# KiCad board Amber.kicad_pcb (continued)
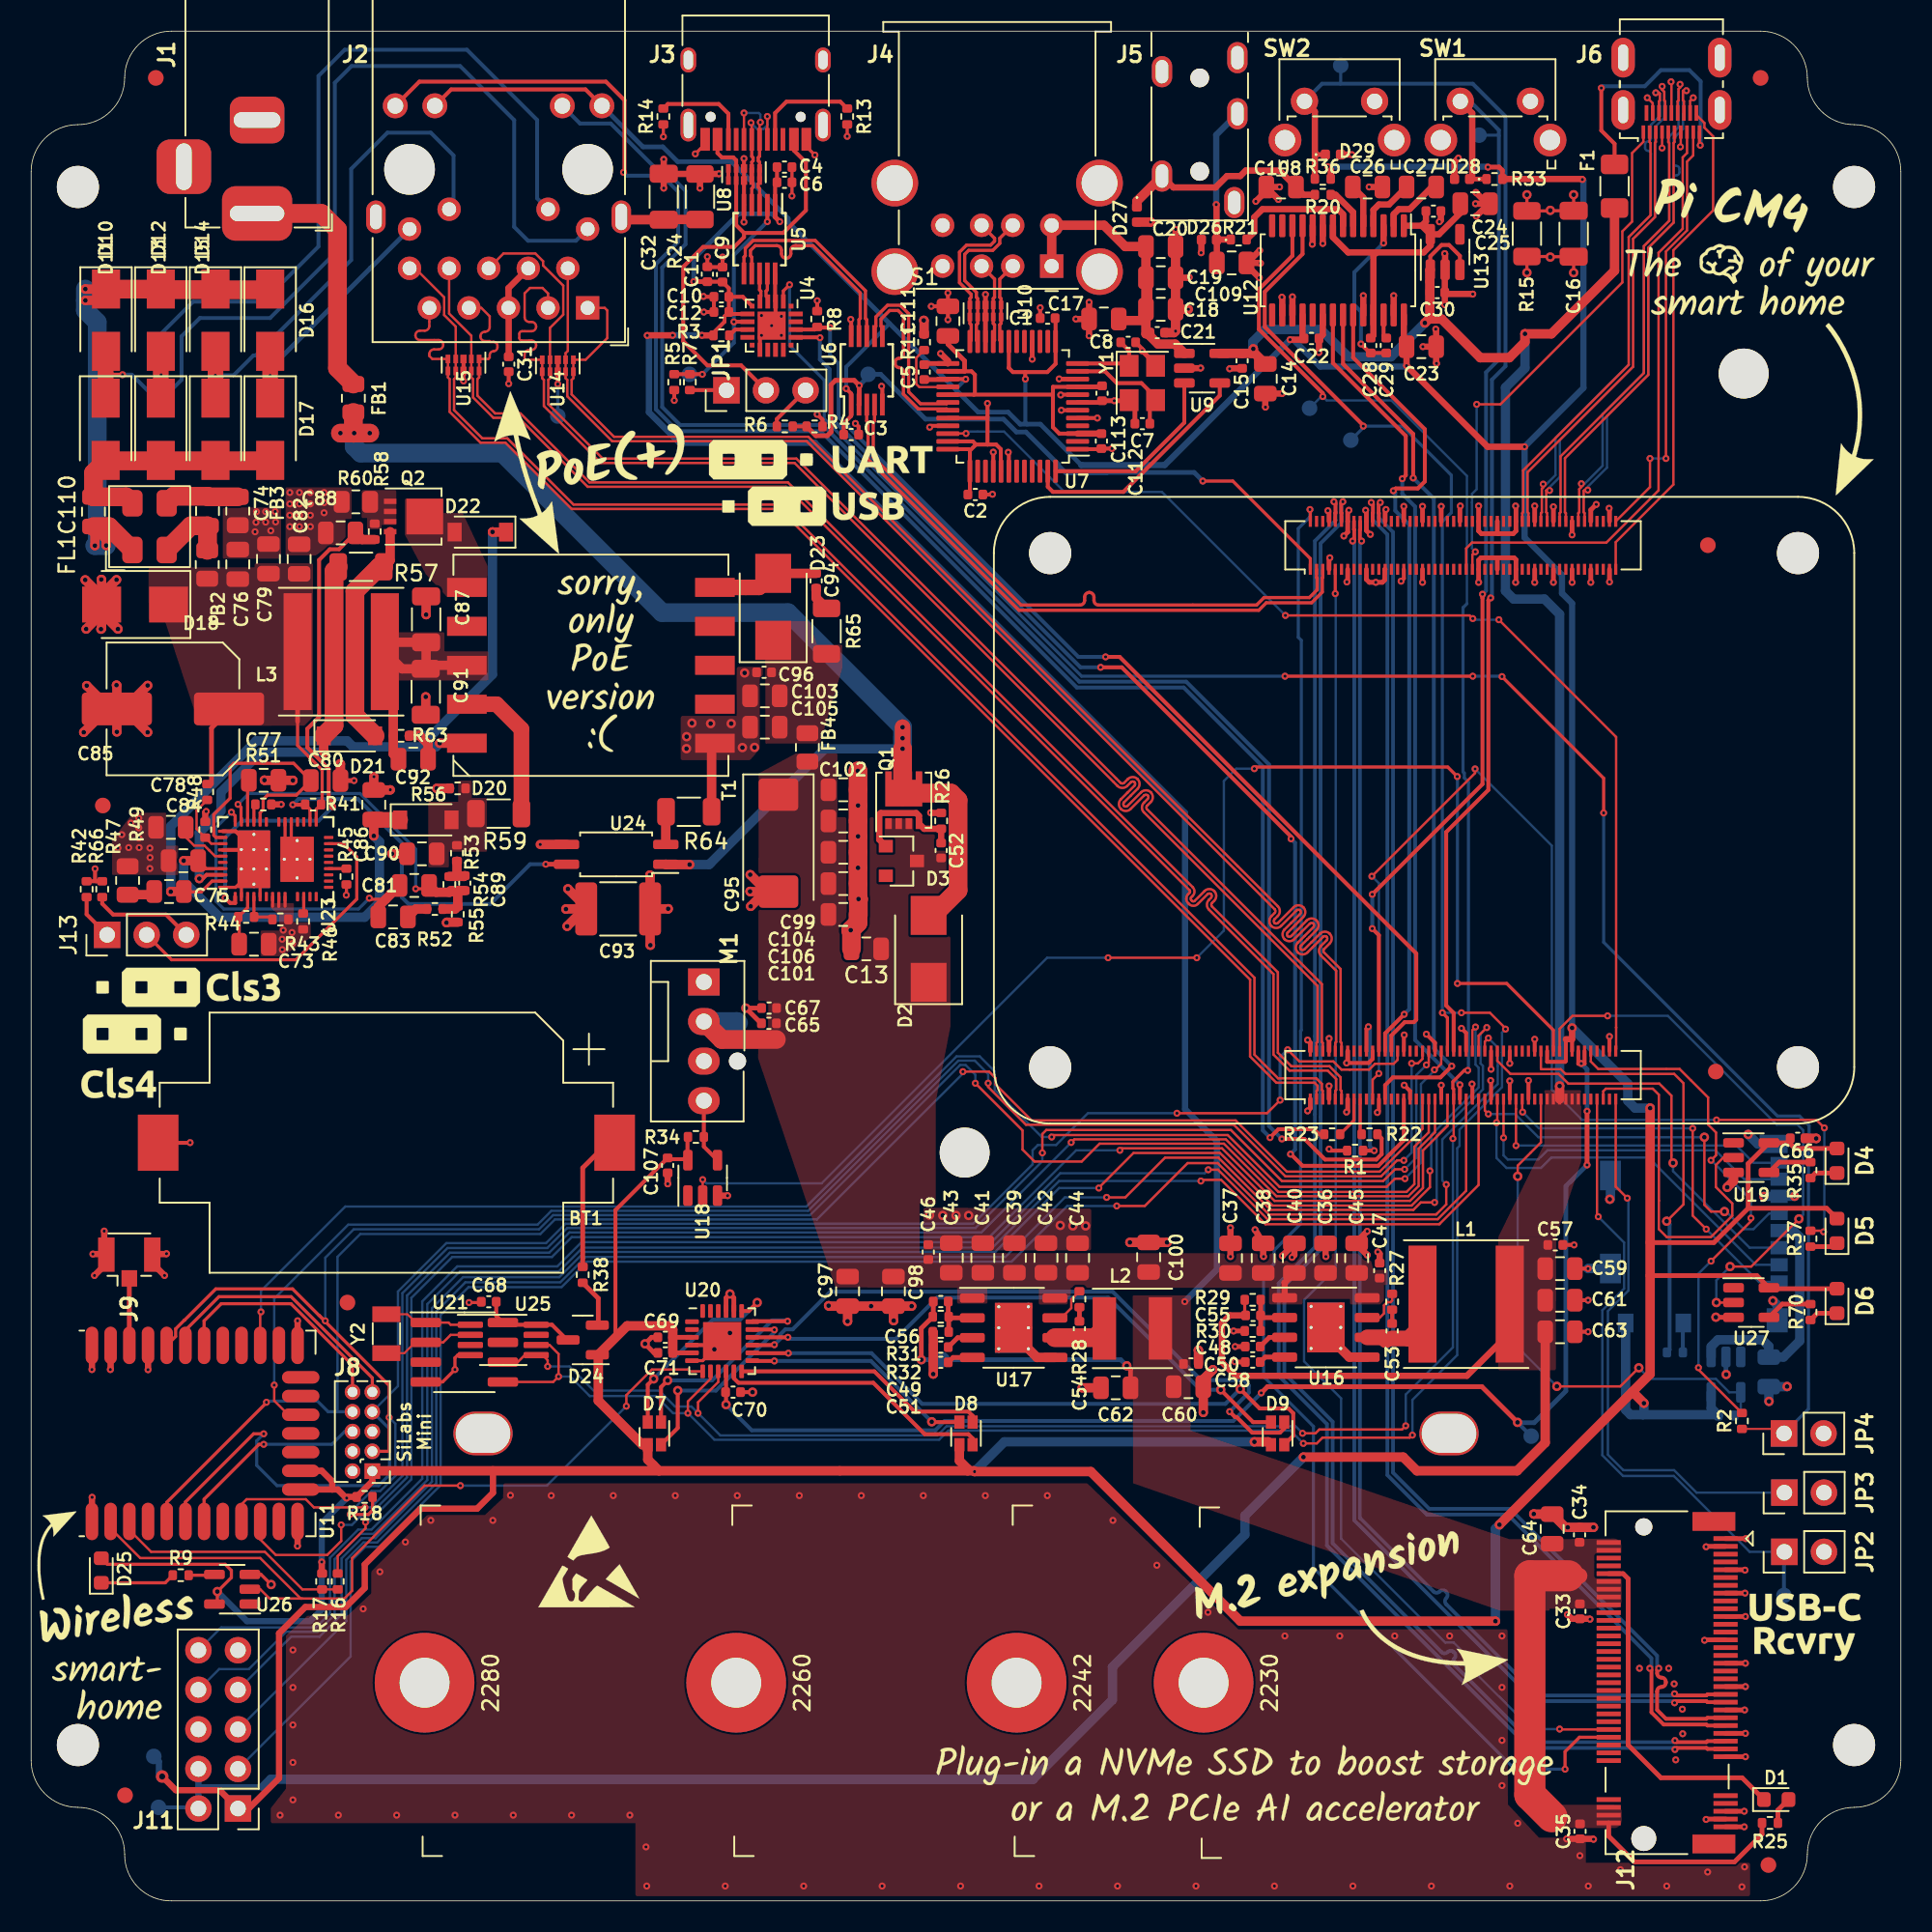
[diagram p0: board, top side]
## Routing (per net, layer and track width the routed paths; a pad name or vN(x,y) marks a point on that pad's centre or on a via; arc(x,y) is an arc through that point) (continued)
/USB/USB0.D-: length 5.3
  Top w0.206: U7.20 62.17,100.17 62.17,101.16 62.25,101.24 U10.5 U10.6 62.25,102.84 62.17,102.92 62.17,104.09 J4.2
/USB/USB1.D+: length 10.1
  Top w0.206: J4.7 61.83,106.71 61.83,106.52 61.58,106.27 60.03,106.27 59.58,105.82 59.58,103.86 60.33,103.11 60.33,102.92 60.25,102.84 U10.10 U10.1 60.25,101.24 60.33,101.16 60.33,100.17 U7.24
/USB/USB1.D-: length 10.1
  Top w0.206: U7.23 60.67,100.17 60.67,101.16 60.75,101.24 U10.2 U10.9 60.75,102.84 60.67,102.92 60.67,103.24 59.92,103.99 59.92,105.68 60.17,105.93 61.72,105.93 62.17,106.38 62.17,106.71 J4.6
/USB/USB-C.D+: length 8.7
  Top w0.15: v2(46.8,114.15) 46.75,114.1 J3.A6 ; J3.B6 v2(45.75,114.75)
  Top w0.206: U8.10 46.75,110.29 46.67,110.21 46.67,109.98 46.75,109.9 U5.3 ; J3.A6 46.75,111.97 46.67,111.88 46.67,111.68 46.75,111.6 U8.1
  Top w0.3: U8.10 U8.1
  Bottom w0.15: v2(46.8,114.15) 46.8,114.65 46.7,114.75 v2(45.75,114.75)
/USB/USB-C.D-: length 8.8
  Top w0.15: J3.B7 v2(47.25,114.53) ; v2(46.2,114.12) 46.25,114.1 J3.A7
  Top w0.206: U8.9 46.25,110.29 46.33,110.21 46.33,109.98 46.25,109.9 U5.4 ; J3.A7 46.25,111.97 46.33,111.88 46.33,111.68 46.25,111.6 U8.2
  Top w0.3: U8.9 U8.2
  Bottom w0.15: v2(46.2,114.12) 46.2,114.12 46.6,113.72 47,113.72 47.25,113.97 v2(47.25,114.53)
/USB/USB_PWR_EN: length 15.5
  Top w0.25: U9.4 76.29,96.62 70.1,90.43 65.58,90.43 65.25,90.76 U7.47
/USB/~{USB_OC}: length 12.1
  Top w0.25: U7.48 70.9,91.76 74.01,94.87 U9.3
Earth: length 5.1
  Top w0.2: v1(99,109.5) C16.1 97.53,108.47 v1(97.5,108.5) 97.46,108.46 R15.2 v1(96,109.5)
VD18: length 21.7
  Top w0.25: 60.51,96.67 65.52,96.67 65.58,96.73 ; 60.51,96.67 60.57,96.73 60.57,97.95 60.35,98.17 59.91,98.17 ; 60.51,96.67 U7.29 ; 65.58,96.73 65.58,97.17 U7.9 ; 65.58,96.73 65.58,94.58 65.99,94.17 U7.3
  Top w0.3: U7.26 59.91,98.17 59.91,98.84 58.84,99.91 C111.2 ; U7.9 68.66,97.17 C113.2
  Top w0.4: C112.2 U7.3
Net-(BT1-Pad1): length 8.6
  Top w0.3: 37.02,48.66 35.4,47.04 R38.2
Net-(C7-Pad1): length 7.5
  Top w0.25: U7.11 68.92,98.17 69.68,97.41 71.26,97.41 72.17,96.5 Y1.3 71.8,95.95 C7.1
Net-(C8-Pad1): length 5.1
  Top w0.25: U7.12 70.32,98.67 Y1.1 70.47,99.49 C8.1
Net-(C26-Pad1): length 2.8
  Top w0.4: U12.5 85.5,109.33 C26.1
Net-(C27-Pad1): length 4.2
  Top w0.4: U12.2 87.45,108.25 87.78,108.58 88.48,108.58 89.9,110 C27.1
Net-(C27-Pad2): length 3.7
  Top w0.4: U12.4 86.15,108.53 86.5,108.88 87.15,108.88 88.28,110
Net-(C29-Pad2): length 1.6
  Top w0.25: U12.26 86.8,100.48 C29.2
Net-(C31-Pad2): length 6.2
  Top w0.4: J2.4 30.63,103.51 J2.5 30.65,102.22 C31.2
Net-(C48-Pad1): length 1.8
  Top w0.3: C48.1 79.47,36.17 U16.3
Net-(C49-Pad1): length 1.8
  Top w0.3: U17.3 59.47,36.14 C49.1
Net-(C50-Pad1): length 1.7
  Top w0.3: 80.45,34.9 79.2,34.9 C50.1
Net-(C51-Pad1): length 1.7
  Top w0.3: C51.1 59.17,34.88 U17.4
Net-(C52-Pad2): length 7.8
  Top w0.4: C52.2 R26.1 57.31,68.81 Q1.4 56.98,69.64 56.8,69.82 54.53,69.82 54.43,69.72 54.43,68.11 D3.2
Net-(C53-Pad1): length 5.5
  Top w1: U16.6 86.77,36.17 86.95,35.98 ; L1.1 89.3,36.99 88.39,36.08 88.38,36.09 C53.1 ; 89.45,37.75 89.45,38.3
Net-(C53-Pad2): length 0.9
  Top w0.25: C53.2 R27.2
Net-(C54-Pad1): length 3.4
  Top w1.2: 65.7,36.14 68.28,36.14 L2.1
Net-(C54-Pad2): length 0.9
  Top w0.3: C54.2 R28.2
Net-(C55-Pad2): length 3.6
  Top w0.3: U16.2 79.05,37.44 C55.2 78.91,37.58 R29.1 ; R30.2 78.91,37.57
Net-(C56-Pad2): length 3.5
  Top w0.3: R31.1 58.86,37.52 C56.2 ; R31.1 58.97,37.42 U17.2 ; R31.1 R32.2
Net-(C68-Pad1): length 6.1
  Top w0.25: 34.4,36 33.42,36.97 U25.8 30.41,36.97 U21.8 29.85,37.54 C68.1
Net-(C74-Pad1): length 4.8
  Top w1.2: FB2.1 11.32,86.7 C74.1 10.25,88.25 FL1.2
Net-(C74-Pad2): length 4.8
  Top w1.2: FL1.3 9.15,90.15 C74.2 11.36,90.11 FB3.1
Net-(C75-Pad2): length 1.8
  Top w0.6: C75.2 7.7,64.58 R47.1
Net-(C77-Pad2): length 2.6
  Top w0.2: U23.33 13.89,69.25 13.89,71.78 13.97,71.86
Net-(C78-Pad1): length 3.5
  Top w0.15: U23.40 11.8,67.05 11.42,67.43 11.12,67.73 10.46,67.73 9.91,68.28 C78.1
Net-(C83-Pad1): length 1.4
  Top w0.6: C83.1 24.69,63.66 R52.2
Net-(C89-Pad1): length 2
  Top w0.6: R53.2 27.33,65.81 27.38,65.75 ; C89.1 27.78,65.75 27.38,65.75 ; R54.1 27.38,65.75
Net-(C92-Pad1): length 18.8
  Top w0.6: R63.2 24.28,74.8 v1(24.92,74.8) 25.48,74.25 C92.1 ; v1(29.61,87.86) 29.62,87.85 D22.1
  Bottom w0.6: v1(24.92,74.8) 25.69,74.8 29.61,78.72 v1(29.61,87.86)
Net-(C94-Pad1): length 6.9
  Top w0.6: C94.1 D23.2
  Top w1: T1.6 46.72,84.3 D23.2
Net-(C94-Pad2): length 1.6
  Top w0.6: C94.2 50.38,83.62 R65.1
Net-(C108-Pad2): length 13.9
  Top w0.4: J5.T 73.31,109.97 76.02,109.97 76.75,110.7 77.6,110.7 77.95,111.05 80.12,111.05 C108.2 81.67,109.5 R20.2
  Top w0.6: J5.T 70.97,109.09 D27.1
Net-(C109-Pad1): length 11.1
  Top w0.4: v2(76.06,108.87) 76.08,108.85 D26.1 ; C109.1 76.1,106.59 D26.1 ; R21.2 76.09,106.62 D26.1
  Bottom w0.4: J5.R1 76.06,113.34 v2(76.06,108.87)
Net-(C110-Pad1): length 37
  Top w0.6: v1(3.48,103.45) 3.48,103.44 4.8,103.44 4.08,102.72 v1(3.48,102.72) ; v1(4.09,86.98) 4.09,88.11 4,88.2 4.82,87.38 v1(4.82,86.99)
  Top w1.2: 4,88.2 5,88.2 FL1.1 ; 4.8,103.44 4.81,103.44 8.32,103.44 8.35,103.41 11.83,103.41 11.84,103.4 15.34,103.4
  Bottom w1.2: v1(3.48,103.45) v1(3.48,102.72) 3.48,102.08 4.24,101.32 4.24,87.13 v1(4.09,86.98) 4.81,86.98 v1(4.82,86.99)
Net-(C110-Pad2): length 15.9
  Top w1.2: FL1.4 6.09,90.11 C110.2 4,91.64 4.78,92.42 15.34,92.42
Net-(D1-Pad1): length 22.2
  Top w0.3: D1.1 109.81,7.9 104.6,7.9 102.5,10 102.5,20.67 102.17,21 J12.10
Net-(D1-Pad2): length 1.8
  Top w0.3: D1.2 112.11,5.82 R25.2
Net-(D4-Pad1): length 1.8
  Top w0.3: D4.1 114.52,46.71 R35.1
Net-(D5-Pad1): length 1.8
  Top w0.3: D5.1 115.68,41.99 R37.1
Net-(D6-Pad1): length 1.9
  Top w0.3: D6.1 114.63,37.71 R70.1
Net-(D7-Pad1): length 12.8
  Top w0.25: U20.19 46.06,37.86 v1(46.6,38.4) ; D7.1 39.58,33.12 v1(39.95,33.5)
  Bottom w0.25: v1(46.6,38.4) 45.5,37.3 43.75,37.3 v1(39.95,33.5)
Net-(D7-Pad2): length 14.5
  Top w0.25: U20.18 46.32,37.2 v2(48.55,37.2) ; D7.2 40.42,32.97 v1(40.85,33.4)
  Bottom w0.25: v1(40.85,33.4) 43.7,33.4 47.55,37.25 48.6,37.25
Net-(D7-Pad3): length 13.2
  Top w0.25: v1(41.5,32.75) 41.5,30.35 D7.3 ; 47.68,36.67 U20.17
  Bottom w0.25: v2(47.7,36.65) 47.7,36.5 43.95,32.75 v1(41.5,32.75)
Net-(D8-Pad1): length 14.9
  Top w0.25: U20.13 46.31,34.65 v2(47.7,34.65) ; D8.1 57.83,30.72 v1(57.8,30.75)
  Bottom w0.25: v1(57.8,30.75) 53.9,34.65 v2(47.7,34.65)
Net-(D8-Pad2): length 16.4
  Top w0.25: U20.12 54.12,33.98 56.7,31.4 60.15,31.4 60.42,31.13 D8.2
Net-(D8-Pad3): length 17.8
  Top w0.25: D8.3 60.42,29.68 60.15,29.95 57.35,29.95 54.05,33.25 45.4,33.25 45.1,33.55 U20.11
Net-(D9-Pad1): length 37.7
  Top w0.25: U20.16 v2(48.57,36.17) ; v1(76.35,32.8) 78.42,30.72 D9.1
  Bottom w0.25: v1(76.35,32.8) 75.05,32.8 69.13,38.72 58.15,38.72 55.5,36.07 48.67,36.07 v2(48.57,36.17)
Net-(D9-Pad2): length 42.7
  Top w0.25: U20.15 47.68,35.67 v2(47.7,35.69) ; v2(76.92,31.4) 77.27,31.05 77.37,31.05 78.37,30.05 80.15,30.05 80.42,30.32 D9.2
  Bottom w0.25: v2(76.92,31.4) 76.93,31.4 78.15,32.62 78.15,33.08 77.81,33.42 75.09,33.42 69.41,39.1 51.3,39.1 48.88,36.68 48.41,36.68 48.08,36.35 48.08,36.07 v2(47.7,35.69)
Net-(D9-Pad3): length 39.4
  Top w0.25: v1(77.6,32.85) 78.85,31.6 80.7,31.6 81,31.3 81,29.85 D9.3 ; v2(48.6,35.15) 46.31,35.15 U20.14
  Bottom w0.25: v2(48.6,35.15) 53.93,35.15 57.18,31.9 76.65,31.9 v1(77.6,32.85)
Net-(D21-Pad1): length 27.8
  Top w0.25: v1(10.79,65.61) 11.01,65.61 11.25,65.85 U23.43
  Top w0.6: v1(18.83,73.71) 18.77,73.76 D21.1
  Top w1.2: R57.1 19.44,85.35 19.44,75.44 D21.1
  Bottom w0.6: v1(10.79,65.61) 10.79,68.56 12.18,69.95 12.18,71.16 14.74,73.72 18.81,73.72 v1(18.83,73.71)
Net-(D21-Pad2): length 14.7
  Top w0.6: Q2.4 23.04,86.03 R57.2
  Top w1.2: R57.2 22.34,85.62 20.78,84.06 20.78,76.07 22.08,74.78
Net-(D24-Pad2): length 3.1
  Top w0.3: R38.1 36.4,38.67 36.4,36.95
Net-(D25-Pad1): length 4.8
  Top w0.2: D25.1 8.6,20.41 R9.1
Net-(F1-Pad2): length 17.4
  Top w0.2: v2(107.12,112.67) 107.07,112.72 J6.19
  Top w0.25: F1.2 101.62,112.78 100.78,113.62 v2(100.78,116.35)
  Bottom w0.25: v2(107.12,112.67) 107.15,112.7 107.15,116.77 106.43,117.5 104.6,117.5 103.57,116.47 100.89,116.47 v2(100.78,116.35)
Net-(FB1-Pad1): length 15.9
  Top w1.2: J1.1 18.63,108.3 19.66,107.27 19.66,98.37 FB1.1
Net-(J2-Pad16): length 106
  Top w0.25: R22.2 86.68,48.93 86.68,47.92 86.33,47.58 83.05,47.58 81.72,48.9 v2(80.28,48.9)
  Bottom w0.25: v2(80.28,48.9) 79.45,49.72 79.45,72.93 74.13,78.25 67.27,78.25 50.8,94.72 41.65,94.72 40.5,95.88 40.5,104.83 42,106.33 42,109.75 40.6,111.15 40.12,111.15 37.2,114.08 35.22,114.08 J2.16
Net-(J2-Pad18): length 115.4
  Top w0.25: J2.18 24.92,116.76 36.89,116.76 38.08,115.57 38.08,111 v2(38.02,110.94) ; R23.2 82.65,49.2 82.33,49.53 80.05,49.53 v2(79.51,48.99)
  Bottom w0.25: v2(79.51,48.99) 79.05,49.45 79.05,72.8 73.98,77.87 67.12,77.87 50.67,94.33 41.5,94.33 40.1,95.72 40.1,105.05 41.53,106.47 41.53,109.69 40.49,110.72 38.23,110.72 v2(38.02,110.94)
Net-(J3-PadA5): length 6.8
  Top w0.25: J3.A5 47.75,114.75 48.47,115.47 51.94,115.47 R13.2
Net-(J3-PadB5): length 6.2
  Top w0.25: R14.2 40.86,115.33 44.12,115.33 44.75,114.7 J3.B5
Net-(J7-Pad9): length 1.9
  Bottom w0.25: R39.1 106.01,37.06 106.04,37.08
Net-(J13-Pad1): length 3
  Top w0.25: J13.1 3.56,63.31 R42.2
Net-(J13-Pad3): length 6.6
  Top w0.25: J13.3 8.66,63.3 5.26,63.3 4.56,64 R66.2
Net-(JP1-Pad1): length 2.4
  Top w0.25: R7.1 44.61,96.97 JP1.1
Net-(JP1-Pad3): length 3.1
  Top w0.25: R6.1 47.86,95.1 JP1.3
Net-(M1-Pad4): length 4.2
  Top w0.25: 43.17,51.36 R34.1 43.17,48.41 U18.4
Net-(R1-Pad2): length 10.4
  Top w0.25: U1.20 85.7,55.97 v2(85.83,56.1) ; R1.2 v2(86.2,48.15)
  Bottom w0.25: v2(85.83,56.1) 85.92,56 85.92,48.43 v2(86.2,48.15)
Net-(R3-Pad2): length 1.3
  Top w0.25: U4.9 45.19,100.85 R3.2
Net-(R9-Pad2): length 1.7
  Top w0.2: U26.4 11.71,20.9 R9.2
Net-(R11-Pad2): length 4.5
  Top w0.15: U7.28 58.83,97.16 57,97.16 56.81,97.35 56.81,99.03 R11.2
Net-(R20-Pad1): length 2.8
  Top w0.4: U12.6 84.85,108.38 83.72,109.5 R20.1
Net-(R21-Pad1): length 8.4
  Top w0.4: U12.7 84.2,108.25 83.87,108.58 79.03,108.58 78.5,108.05 78.5,107.12 R21.1
Net-(R27-Pad1): length 2.8
  Top w0.15: U16.7 86.56,37.44 86.83,37.7 86.83,38.22 87.03,38.42 87.25,38.42 87.35,38.53 R27.1
Net-(R28-Pad1): length 2.6
  Top w0.15: 65.7,37.42 66.12,37.42 66.76,38.05 66.76,38.6 R28.1
Net-(R35-Pad2): length 2.9
  Top w0.3: R35.2 112.2,47.41 U19.4
Net-(R43-Pad2): length 2.5
  Top w0.2: R43.2 15.33,63.15 R44.2 14.3,63.17 U23.4
Net-(R45-Pad2): length 1.1
  Top w0.2: U23.17 R45.2
Net-(R46-Pad2): length 1.1
  Top w0.2: U23.11 17.49,63.41 R46.2
Net-(R51-Pad1): length 1.1
  Top w0.2: U23.32 14.3,70.37
Net-(R59-Pad2): length 9.6
  Top w1: T1.2 29.87,76.8 31.47,75.2 R59.2
Net-(R64-Pad1): length 2.1
  Top w0.6: R64.1 40.73,69.89 U24.2
Net-(R70-Pad2): length 3
  Top w0.3: U27.4 112.39,38.3 R70.2
Net-(U21-Pad1): length 5.7
  Top w0.127: Y2.1 24.15,37.65 24.69,37.11 U21.1
  Top w0.15: U21.1 26.78,37.11 26.92,36.97 U25.1
Net-(U21-Pad2): length 5.9
  Top w0.127: U21.2 24.65,35.84 23.95,35.15 Y2.2
  Top w0.15: U25.2 26.92,36.33 26.45,35.84 U21.2
unconnected-(U8-Pad5): length 0.8
  Top w0.25: U8.5 U8.6

## Copper pours and planes (outline as drawn; the poured copper is in the pictures)
+3.3VP on Top: 102.09,4.67 96.91,4.67 96.91,6.17 102.09,6.17
+3.3VP on Top: 74.41,30.19 94.88,23.21 97.46,23.21 97.46,18.62 94.29,18.62 70.72,26.8 70.7,38.86 74.43,38.86
+3.3VP on Top: 102.08,18.75 96.8,18.75 96.8,23.2 102.07,23.26
+5V on Top: 97.86,34.05 94.16,34.05 94.16,42.63 97.88,42.63
+5V on Top: 99.49,47.46 97.86,42.61 94.16,42.61 97.11,48.59 97.11,52.04 99.49,52.04
+12V on Top: 57.52,68.61 58,68.61 58,67.4 59,67.4 59,56.1 58.06,51.31 58.07,44.73 57.02,44.75 57.03,39.36 51.62,39.37 46.66,54.07 46.69,71.91 46.69,72.36 49.07,73.64 51.75,73.66 51.75,69.55 57.52,69.56
+12V on Top: 85.88,41.56 86.15,40.5 87.08,40.5 87.08,39.53 86.83,39.53 86.83,38.28 84.65,38.28 84.65,38.62 81.6,38.62 81.6,38.28 79.45,38.28 79.45,39.35 66.73,39.35 66.73,38.28 64.67,38.27 64.67,39.35 61.37,39.35 61.38,38.33 59.43,38.33 59.43,39.35 56.98,39.35 56.99,41.58
+48V on Top: 18.09,75.42 10.8,75.41 8.56,82.23 7.54,82.24 7.53,85.56 9.66,85.58 9.67,85.59 14.34,85.59 14.34,85.84 18.09,85.84
GND on Top: 68.04,44.43 68.03,41.74 57.26,41.74 57.27,44.49
GND on Top: 77.48,17.43 94.77,17.43 94.78,6.19 96.77,4.06 99.78,4.06 99.78,2.45 110.33,2.45 110.33,0.28 38.78,0.28 38.78,4.98 15.38,4.98 15.38,5.95 16.35,7.19 16.35,17.03 17.74,18.3 20.3,18.3 21.83,19.74 21.83,21.14 25.41,24.76 29.12,24.76 30.29,25.86 30.3,26.8 67.78,26.8
GND on Top: 46.96,78.68 46.76,78.43 46.76,73.93 46.14,73.21 41.69,73.21 41.69,76.05 45.27,76.05 45.27,79.2 46.96,79.2
GND on In1.Cu: 116.9,0 38.78,0.03 38.78,4.97 3.15,4.98 3.15,55.08 38.77,55.08 38.74,73.81 35.89,73.81 35.9,86.13 29.71,92.15 18.65,92.15 18.65,106.26 -0.02,106.26 0,120 20.48,120 41.1,119.99 53.37,119.96 70.62,120 70.63,120 100.37,119.97 100.37,120 103.11,120 103.12,120 107.46,119.99 107.46,119.98 116.9,119.98
GND on In2.Cu: 116.9,0 38.78,0 38.78,4.97 3.15,4.98 3.15,55.03 38.81,55.03 38.78,73.8 35.9,73.79 35.89,86.13 29.71,92.15 18.63,92.15 18.63,106.26 -0.02,106.26 0,120 20.48,120 40.89,119.99 40.91,112.43 53,112.46 53.03,102.56 70.92,102.61 70.91,107.1 100.61,107.1 100.61,113.22 103.33,113.22 103.32,117.19 107.24,117.17 107.25,113.24 116.9,113.25
GND1 on Top: 20.57,88.69 20.18,88.69 20.18,87.46 19.64,86.92 19.05,86.92 18.27,86.35 16.33,86.35 16.33,90.72 20.57,90.72
GND1 on Top: 8.66,67.73 9.43,67.73 9.43,65.84 5.19,65.84 5.19,68.06 6.54,69.84 8.67,69.84
GND1 on Top: 16.86,62.8 17.94,62.8 17.94,61.82 16.08,60.59 14.73,60.59 14.73,62.27 15.93,62.27 15.93,63.27 15.37,63.73 15.37,64.04 16.86,64.04
GND1 on In1.Cu: 17.13,90.64 26.53,90.64 26.58,89.12 30.43,89.15 32.35,87.25 32.31,71.88 35.4,71.88 35.4,60.2 3,60.2 3,90.91 17.13,90.91
GNDS on Top: 16.04,86.14 12.3,86.14 12.3,89.43 16.04,89.43
GNDS on In2.Cu: 17.11,90.65 26.58,90.65 26.57,89.15 30.42,89.16 32.35,87.25 32.37,71.87 35.47,71.85 35.4,60.2 3,60.2 3,90.86 17.11,90.86
/PoE/N1A on Top: 26.48,89.08 27.7,89.08 29.29,85.69 29.27,83.67 26.7,83.67 25.33,85.15 23.98,87.7 23.98,90 26.48,90
/PoE/N1B on Top: 26.52,80.2 29.35,80.2 29.35,78.33 21.8,78.33 21.8,81.42 26.52,81.42
/PoE/V_{REG} on Top: 28.29,70.79 29.25,70.79 29.25,67.33 26.81,67.33 26.81,66.33 25.49,66.33 25.49,70.54 27.4,70.54 27.4,71.9 28.29,71.9
Earth on In2.Cu: 120,120.01 120,113.5 107.47,113.5 107.46,117.39 103.11,117.4 103.11,113.49 100.37,113.49 100.37,107.34 70.66,107.34 70.67,102.85 53.43,102.81 53.39,112.66 41.18,112.64 41.11,120 41.11,120.02
Net-(C103-Pad1) on Top: 47.12,82.13 49.96,82.12 50.43,80.62 52.06,80.62 52.06,79.1 50.63,74.28 47.12,74.27
Net-(Q2-Pad1) on Top: 23.43,88.3 22.49,88.3 22.49,88.03 21.56,88.03 21.56,88.75 21.21,88.75 21.21,90.54 23.43,90.54

## Text on the board
B.Silkscreen: Contains FCC ID: QOQGM210P
User.Comments: F.Silkscreen | F.Paste | F.Mask | F.Cu | Dielectric 1 | In1.Cu | Dielectric 2 | In2.Cu | Dielectric 3 | B.Cu | B.Mask | B.Paste | B.Silkscreen | Top Silk Screen | Top Solder Paste | Top Solder Mask | copper | prepreg | core | Bottom Solder Mask | Bottom Solder Paste | Bottom Silk Screen | 7628 | FR4 | 0 mm | 0.01 mm | 0.035 mm | 0.2 mm | 0.0175 mm | 1.065 mm | White | Yellow | 1 | 3.3 | 4.6 | 4.5 | 0 | 0.02 | Copper Layer Count: | Board overall dimensions: | Min track/spacing: | Copper Finish: | Castellated pads: | 4 | 120.1500 mm x 120.1503 mm | 0.1250 mm / 0.1250 mm | ENIG | No | Board Thickness: | Min hole diameter: | Impedance Control: | Plated Board Edge: | 1.5900 mm | 0.2000 mm | Yes | Layer Name | Type | Material | Thickness (mm) | Color | Epsilon R | Loss Tangent | BOARD CHARACTERISTICS
F.Silkscreen: SiLabs / Mini
